# Altium PCB RTD_12POS_WPSv3.PcbDoc (part 2 of 4) (continued)
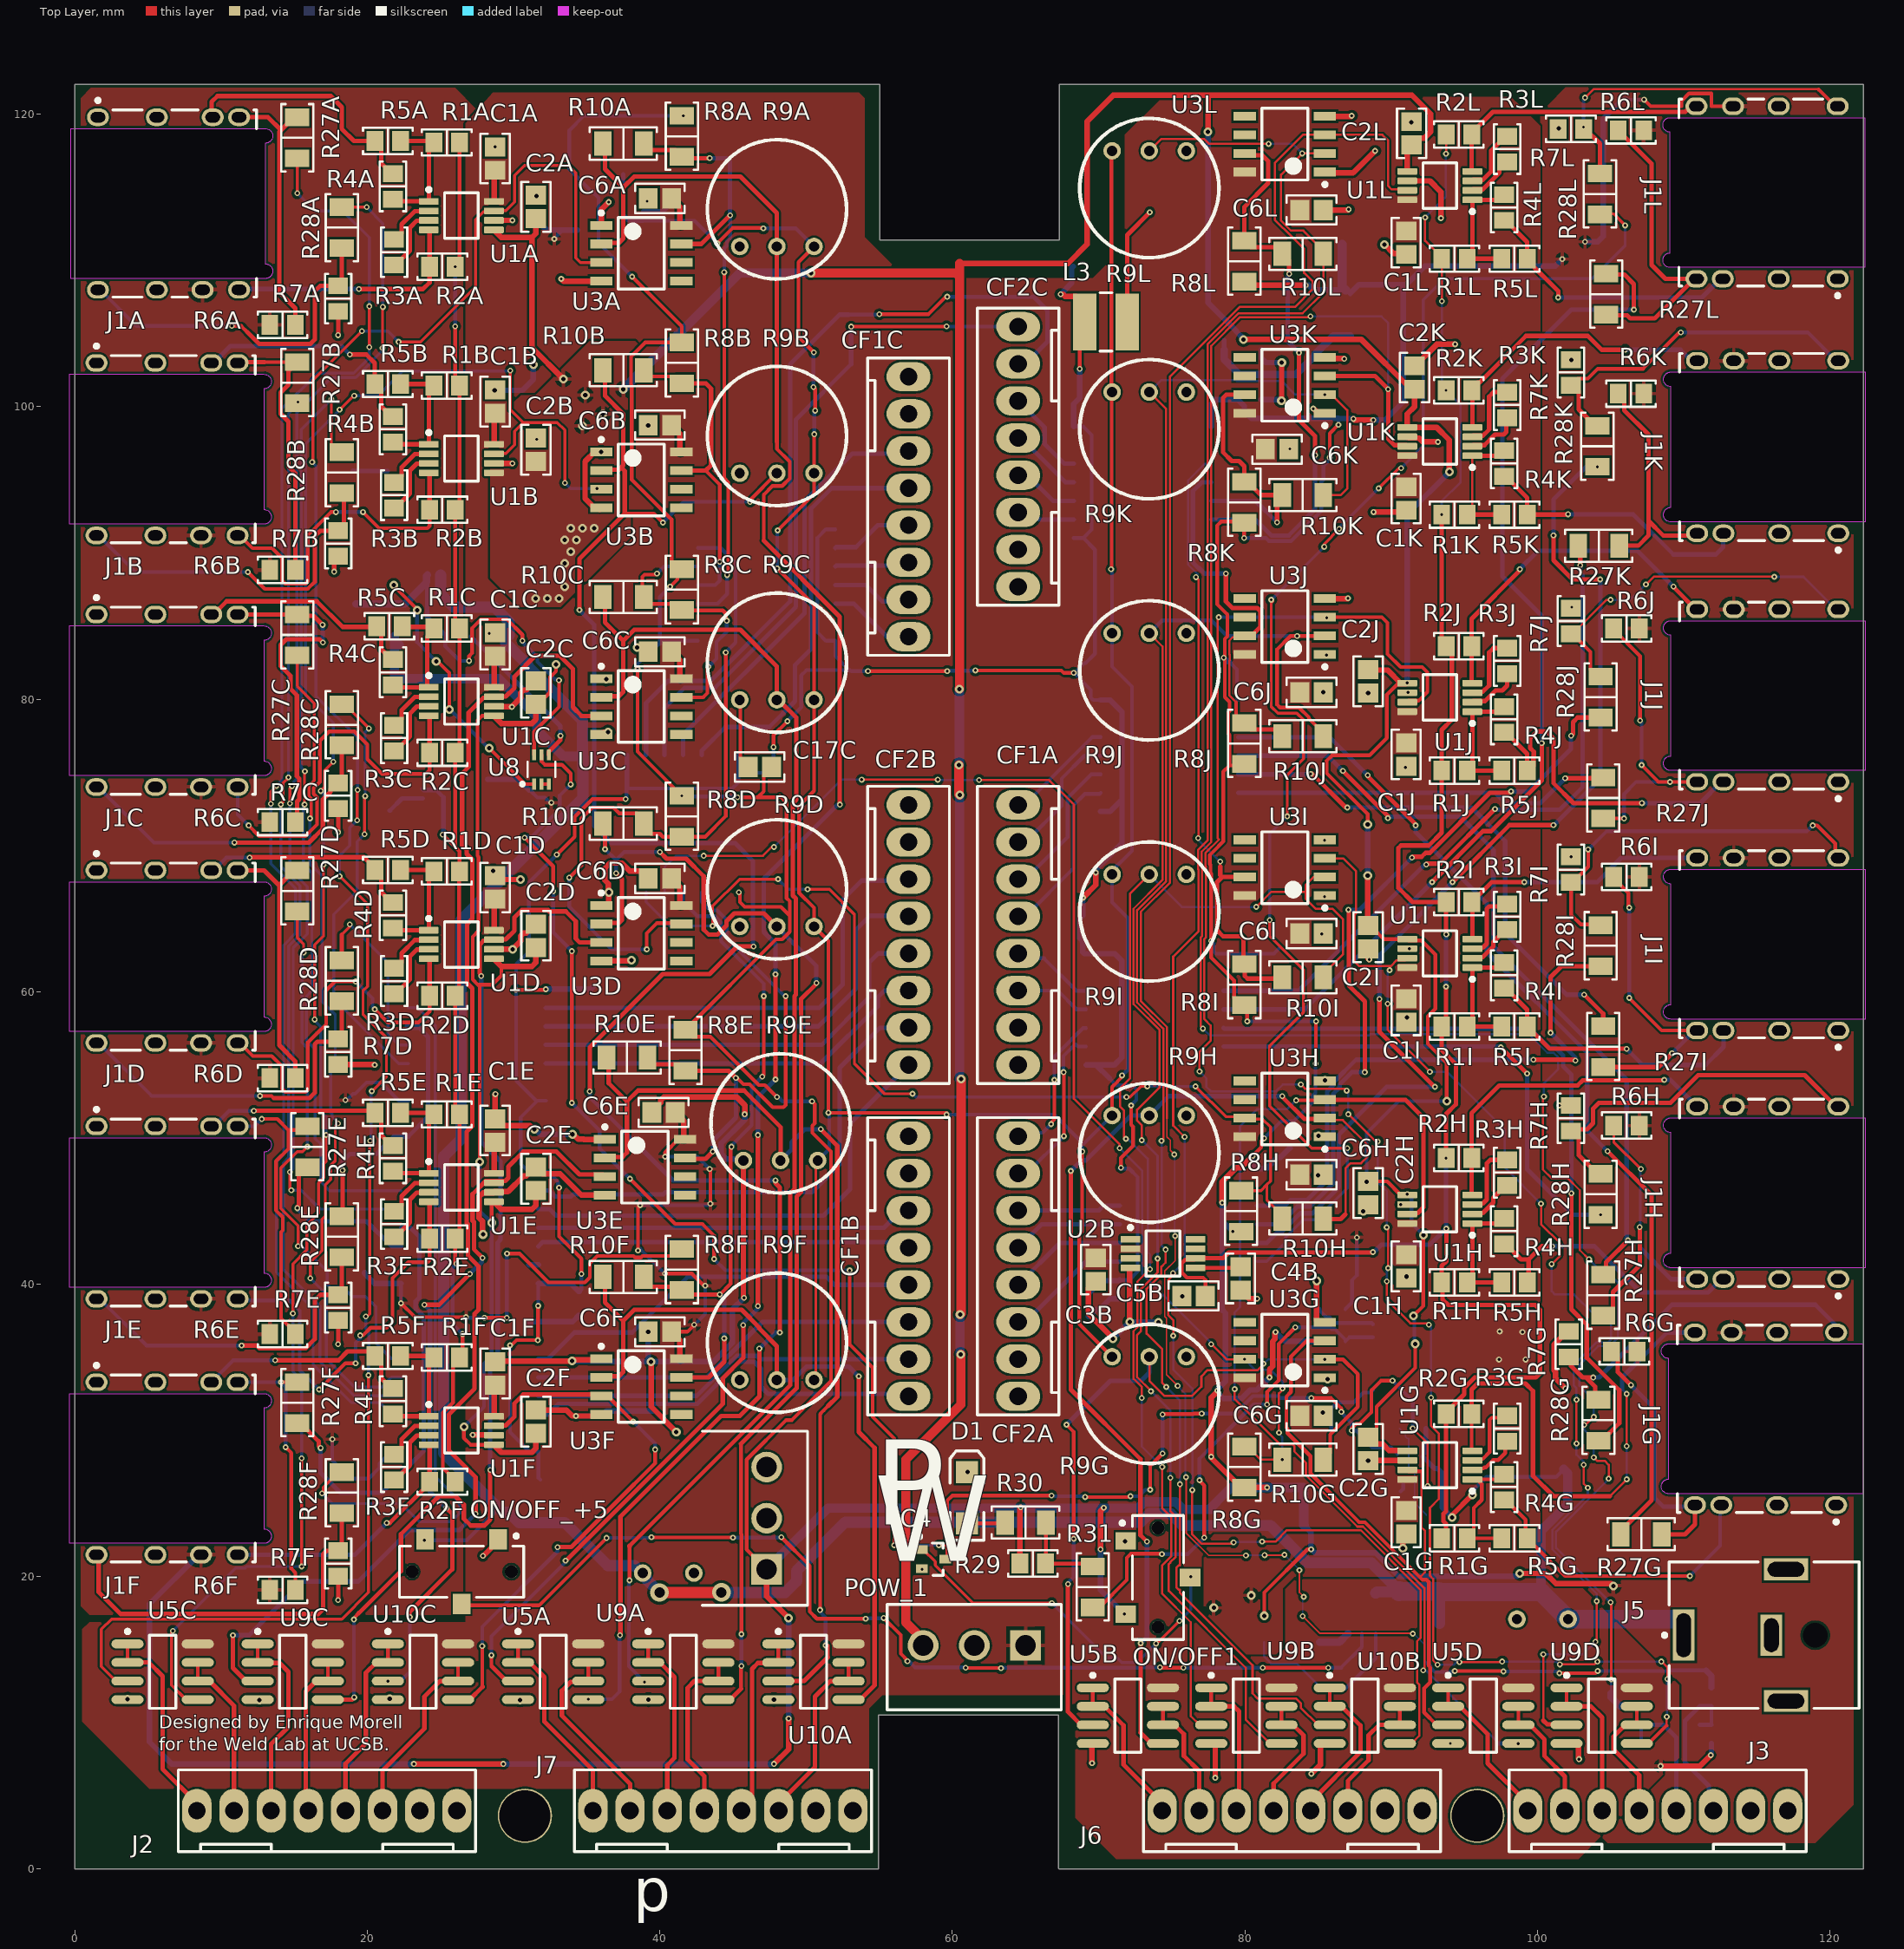
[diagram p0: Top Layer view]
## Part data (continued)
U5A U5B U5C U5D U9A U9B U9C U9D U10A U10B U10C U10D: library part CMP-0384-00855-1, "Double Channel Ultra Low Noise Operational Amplifier, 6.5 MHz BW, 12 V/us SR, Industrial, 8-pin SOIC (R-8), Tube", Amplifiers Per Package=2, Generic Part Number=ADA4075-2, Input Bias Current=30nA, Input Offset Voltage=300uV, Manufacturer="Analog Devices", Code_JEDEC=MS-012-AA, ComponentLink1Description="Manufacturer URL", ComponentLink1URL=http://www.analog.com/en/index.html, ComponentLink2Description=Datasheet, ComponentLink2URL=http://www.analog.com/static/imported-files/data_sheets/ADA4075-2.pdf, ComponentLink3Description="Package Specification", ComponentLink3URL=http://www.analog.com/static/imported-files/packages/PKG_PDF/SOIC_Narrow%20(R)/R_8.pdf, DatasheetVersion="Rev. B", Iq/Amp=1.8mA, Mounting Technology="Surface Mount", PackageDescription="8-Pin Standard Small Outline Package, Body 3.9 x 4.9 mm, Pitch 1.27 mm", PackageReference=R-8, PackageVersion=060506-A, PartNumber=ADA4075-2ARZ, Slew Rate=12V/us, Small Signal Bandwidth=6.5MHz, V Span Max=36V, V Span Min=24V
U7: "No Description Available", Supplier Part Number 1=296-37033-1-ND, Built_By=EMA_UL_Team, Copyright="Copyright (C) 2018 Accelerated Designs. All rights reserved", Manufacturer_Part_Number=LMZ34002RKGT, RefDes=RefDes, Supplier 1=Digi-Key, Type=DEV, Vendor="Texas Instruments"
U8: "TRANS PREBIAS NPN/PNP SOT563", Device Package="SOT-563, SOT-666", Manufacturer="Diodes Incorporated", Power - Max=150mW, Supplier Part Number 1=DCX144EH-7DICT-ND, ComponentLink1Description=Datasheet, ComponentLink1URL=https://www.diodes.com/assets/Datasheets/ds30422.pdf, ComponentLink2Description="Digi-Key Listing", ComponentLink2URL=https://www.digikey.com/product-detail/en/diodes-incorporated/DCX144EH-7/DCX144EH-7DICT-ND/5218295, Part Number=DCX144EH-7, PartId=9696, Price=0.42, Supplier 1=Digi-Key, Type="1 NPN, 1 PNP - Pre-Biased (Dual)"

## Free pads (board coordinates)
  rect 2.1x2.1 hole 1.4: 1(47.3,20.5)
  rect 1.4x1.3 smd far side: 1(69.3,39.4) 2(69.3,37.8)
  round 2.1 hole 1.4: 2(47.3,24) 3(47.3,27.5)
  round 3.71 hole 3.5: 4(30.775,3.65) 4(95.9,3.65)

## Via types
v1: diameter 0.4, hole 0.2, Top Layer to Bottom Layer, tented both sides, 569 vias
v2: diameter 0.6, hole 0.3, Top Layer to Bottom Layer, 59 vias
v3: diameter 0.6, hole 0.3, Top Layer to Bottom Layer, tented both sides, 42 vias
v4: diameter 1.27, hole 0.711, Top Layer to Bottom Layer, 2 vias

## Nets (pads, with @x,y where several pads share a name; then routed paths per layer and width w, separated by ;. In a path a pad name is that pad's centre, name@x,y a point inside that pad or via, vN(x,y) a via of type N, cw(c..) or ccw(c..) an arc to the next point about the centre after c; other vN are vias at no path point)
+5: C15A.1 C15B.1 C15C.1 C17A.1 C17B.1 C17C.1 C19A.1 C19B.1 C19C.1 C41.2 C42.2 C44.2 IC1A.1 IC1B.1 IC1C.1 IC2A.1 IC2B.1 IC2C.1 IC3A.1 IC3B.1 IC3C.1 J1A.4 J1B.4 J1C.4 J1D.4 J1E.4 J1F.4 J1G.4 J1H.4 J1I.4 J1J.4 J1K.4 J1L.4 L1.2 L2.1 ON/OFF1.3 pad.1@47.3,20.5 R6A.1 R6B.1 R6C.1 R6D.1 R6E.1 R6F.1 R6G.1 R6H.1 R6I.1 R6J.1 R6K.1 R6L.1 R8A.2 R8B.2 R8C.2 R8D.2 R8E.2 R8F.2 R8G.2 R8H.2 R8I.2 R8J.2 R8K.2 R8L.2 R15.1 R25.2 R29.2 | length 539
  Top Layer w0.254: v1(22.3,38.7) 23.25,37.75 v1(26.748,37.75) ; v1(28,37.7) 28.002,37.702 29.526,37.702 v1(29.528,37.703) ; v1(29.546,42.096) 30.404,42.096 32.374,40.126 34.867,40.126 35.205,40.464 35.205,41.422 35.71,41.927 38.198,41.927 38.302,41.823 38.697,41.823 38.802,41.927 41.027,41.927 R8F.2@41.5,42.4 ; v1(38.1,108.9) 41.5,105.5 R8B.2@41.5,104.4 39,104.4 38.202,103.602 38.185,103.602 38.023,103.44 38.023,101.493 38.077,101.439 38.077,95.023 40.802,92.298 40.802,89.373 41.275,88.9 R8C.2@41.5,88.9 41.2,88.6 41.2,88.2 v1(40.7,87.7) ; v1(38.475,82.071) 38.475,76.425 v1(41.5,73.4) ; v1(45.3,73.3) 46.7,73.3 ; v1(45.4,66.8) 45.466,66.734 45.466,66.134 45.8,65.8 48.273,65.8 48.877,65.196 ; pad.1@47.3,20.5 45.935,21.865 45.935,28.012 48.638,30.715 49.035,30.715 51.7,33.38 51.7,49.084 50.423,50.361 50.423,50.839 50.592,51.008 50.592,52.308 v1(50.4,52.5) ; C17C.1@47.625,75.375 47.102,74.852 47.102,73.702 46.7,73.3 ; v1(48,52.8) 47.177,53.623 46.761,53.623 43.457,56.927 42.223,56.927 R8E.2@41.75,57.4 47.933,63.583 48.363,63.583 48.877,64.097 48.877,65.196 ; v1(79.95,91.025) 79.95,92.058 R8K.2@79.96,92.068 79.878,92.15 78.375,92.15 78.1,91.875 78.1,86.504 78.8,85.804 78.8,84.302 78.623,84.125 78.623,80.15 78.95,79.823 78.95,79.183 78.858,79.091 78.858,77.661 78.95,77.569 78.95,75.473 ; R8J.2@79.96,75.576 79.857,75.473 78.95,75.473 ; v1(80.162,57.975) 80.162,58.882 R8I.2@79.96,59.084 79.735,59.084 79.262,59.557 79.262,60.765 77.691,62.337 77.691,68.073 77.646,68.118 77.646,68.679 77.598,68.727 77.598,69.344 78.179,69.925 78.179,69.94 78.527,70.287 78.527,75.05 78.95,75.473 ; v1(80.525,48.775) 81.116,49.366 81.116,49.791 v1(81.3,49.975) ; v2(81.325,17.331) 81.325,18.925 84.275,21.875 v1(84.525,21.875) ; v1(84.839,55.089) 84.857,55.107 84.857,57.957 v1(84.875,57.975) ; v1(85.8,96.525) 85.8,98.175 v1(86.4,98.775) ; v1(107.3,121) 107.75,120.55 109.853,120.55 109.853,120.913 110.367,121.427 111.907,121.427 111.907,120.55 J1L.4@113.38,120.55 ; 46.7,73.3 48.1,73.3 48.2,73.4 48.664,72.936 48.664,66.405 48.877,66.192 48.877,65.196
  Top Layer w0.381: J1F.4@8.625,21.5 J1F.4@8.775,21.5 ; v1(23.175,7.2) v1(29.3,7.2) ; pad.1@47.3,20.5 47.3,18.675 v2(48.8,17.175) ; v1(47.8,7.2) 48.8,8.2 v1(48.8,10.3) ; R29.2@64.625,20.9 64.625,24.7 v1(64.675,24.75) ; v1(70.125,21.875) 70.125,24.495 70.35,24.72 v1(70.35,24.725) ; v1(71.757,17.444) ON/OFF1.3@71.857,17.444 ; v1(78.125,32.725) 78.125,32.666 77.7,32.241 v1(77.7,28.2) 77.7,28.135 79.735,26.1 R8G.2@79.96,26.1 v1(81.525,26.1) ; v1(78.45,45.575) 78.425,45.6 78.425,46.982 79.401,47.958 79.708,47.958 v1(80.525,48.775) ; R8L.2@79.96,108.56 80.212,108.308 v1(84.163,108.308) ; v1(81.68,33.628) 81.68,34.162 81.896,34.378 81.896,36.086 82.058,36.249 82.058,36.683 v1(82.1,36.725) ; v1(87.425,99.175) 87.5,99.1 v1(88.775,99.1) ; v2(98.8,20.225) 100.575,20.225 101.265,19.535 105.04,19.535 v2(105.2,19.375)
  Top Layer w0.635: R29.2@64.505,20.78 R29.2@64.625,20.9
  Bottom Layer w0.254: v1(17.6,29.4) 17.6,27.958 18.858,26.7 C19B.1@19,26.7 20.081,26.7 20.832,27.451 20.832,27.737 21.65,28.555 IC1B.1@22.3,28.555 ; v1(18.5,52.6) C17B.1@18.5,52.5 19.023,53.023 19.165,53.023 19.942,53.8 20.9,53.8 22.145,52.555 IC3B.1@22.8,52.555 ; v1(22.3,38.7) IC2B.1@22.3,40.055 ; v1(26.748,37.75) 26.798,37.7 v1(28,37.7) ; v1(29.528,37.703) 29.537,37.712 29.537,42.087 v1(29.546,42.096) ; v1(38.1,108.9) 35.8,111.2 35.8,114.3 35.407,114.693 35.366,114.693 33.8,116.258 33.8,118.9 34.8,119.9 v1(41.6,119.9) ; v1(38.475,82.071) 38.475,82.417 39.185,83.127 39.277,83.127 39.95,83.8 C15C.1@40,83.8 ; v1(40.7,87.7) 40,87 C15C.1@40,83.8 ; v1(41.5,73.4) 41.55,73.35 45.25,73.35 v1(45.3,73.3) ; IC1C.1@42.6,84 40.2,84 C15C.1@40,83.8 ; v1(48,52.8) 48.094,52.8 48.394,52.5 v1(50.4,52.5) ; v1(77.7,63.475) 77.7,63.463 77.877,63.286 77.877,62.765 78.036,62.605 IC2A.1@78.54,62.605 81.985,62.605 C17A.1@82.34,62.96 ; C15A.1@78.94,82.56 79.463,82.037 79.463,80.027 IC1A.1@79.54,79.95 ; v1(79.95,91.025) 81.438,91.025 81.643,90.821 83.157,90.821 85.225,92.888 85.225,94.868 85.377,95.02 85.377,95.977 85.8,96.4 v1(85.8,96.525) ; v1(80.162,57.975) v1(84.875,57.975) ; R25.2@81.3,17.275 81.3,17.25 81.325,17.275 v2(81.325,17.331) ; v1(81.3,49.975) 82.479,51.154 83.35,51.154 84.621,52.425 84.621,52.86 84.827,53.067 84.827,55.077 v1(84.839,55.089) ; v1(86.4,98.775) 86.4,99.2 ; 106.081,121 v1(107.3,121)
  Bottom Layer w0.381: J1F.4@8.625,21.5 8.475,21.5 5.1,18.125 5.1,8.7 6.6,7.2 v1(23.175,7.2) ; C15B.1@19.8,40.8 19.8,40.75 20.495,40.055 IC2B.1@22.3,40.055 ; v1(29.3,7.2) v1(47.8,7.2) ; v1(48.8,10.3) v2(48.8,17.175) ; v1(70.125,21.875) 70.125,19.076 v1(71.757,17.444) ; IC3C.1@77.7,98.645 77.7,100.2 78,100.5 C19C.1@79.5,100.5 79.96,100.04 79.96,99.69 80.45,99.2 80.456,99.206 86.394,99.206 86.4,99.2 v1@87.425,99.2 ; v1(78.125,32.725) 78.125,32.809 78.675,33.359 78.675,38.025 78.45,38.25 78.45,44.325 ; v1@78.172,32.546 78.53,32.187 79.78,32.187 80.362,32.769 80.822,32.769 v1(81.68,33.628) ; v1(78.45,45.575) 78.45,44.325 ; v1(78.55,82.85) 78.84,82.56 C15A.1@78.94,82.56 ; v1(79.175,43.6) 78.45,44.325 ; v1(80.525,48.775) 80.525,48.22 IC3A.1@80.84,47.905 81.473,47.905 82.259,48.691 82.441,48.691 83.05,49.3 C19A.1@83.1,49.3 ; v1(82.1,36.725) 82.725,36.1 R15.1@85.125,36.1 ; C41.2@84.05,23.5 84.51,23.04 84.51,21.89 84.775,21.625 88.925,21.625 90.509,20.04 98.615,20.04 v2(98.8,20.225) ; v1(84.163,108.308) 84.362,108.308 84.678,107.991 L2.1@86.891,107.991 ; L2.1@87.2,107.75 87.81,108.359 90.825,108.359 ; v1(88.775,99.1) 89.584,99.1 90.825,100.341 90.825,108.359 ; v1(101.7,110.1) 101.228,109.628 92.303,109.628 91.035,108.359 90.825,108.359 ; v1(103.259,111.28) 104.13,111.28 104.5,111.65 104.5,119.7 105.8,121 106.081,121 ; J1L.4@113.23,120.55 J1L.4@113.38,120.55
  Bottom Layer w0.635: pad.1@46.567,19.768 pad.1@47.3,20.5 51.487,24.687 70.35,24.687 72.695,24.687 73.132,25.123 75.257,25.123 75.781,24.599 77.718,24.599 77.718,24.767 L1.2@78.5,25.55 79.05,26.1 v1(81.525,26.1) C42.2@84,26.1 84.025,26.075 84.025,23.525 C41.2@84.05,23.5 ; C44.2@86.65,111.1 86.65,108.232 L2.1@86.891,107.991
+5_OUT: C16B.1 C16C.1 C18A.1 C18B.1 C18C.1 C20A.1 C20B.1 C20C.1 C43.1 IC1A.10 IC1A.16 IC1B.10 IC1B.16 IC1C.10 IC1C.16 IC2A.10 IC2A.16 IC2B.10 IC2B.16 IC2C.10 IC2C.16 IC3A.10 IC3A.16 IC3B.10 IC3B.16 IC3C.10 IC3C.16 L3.2 pad.1@69.3,39.4 | length 212.5
  Top Layer w0.254: v1(29.75,35.825) 29.844,35.825 30.194,36.175 v1(31.65,36.175) 31.663,36.188 31.663,38.512 v1(31.675,38.525) ; v1(30.15,60.125) 32.15,60.125 v1(32.2,60.175) ; v1(32.95,69.375) 34.168,70.593 34.168,71.957 35.387,73.175 v1(37.65,73.175) ; v1(33.103,46.604) 33.103,43.272 34.628,41.747 v1(34.628,40.703) ; v1(47.775,76.725) 47.775,77.55 v1(48.725,78.5) ; v1(54.225,81.925) v1(59.65,81.925) ; v1(61.575,81.975) 67.444,81.975 67.619,81.8 v1(68.3,81.8) ; v1(68.7,102.6) 68.7,105.45 L3.2@69.05,105.8 ; v1(71.525,47.975) 71.525,48.634 72.357,49.466 72.357,50.773 72.225,50.905 v1(72.225,52.225)
  Top Layer w0.381: v1(67.4,107.7) 67.568,107.7 67.708,107.56 68.441,107.56 69.05,106.95 L3.2@69.05,105.8 ; v1(68.925,66.425) 69.8,67.3 v1(69.8,68.15)
  Bottom Layer w0.254: v1(29.75,35.825) 29.75,29.875 31.07,28.555 IC1B.16@31.7,28.555 31.7,26.75 C20B.1@31.825,26.625 ; v1(31.675,38.525) 31.675,40.03 IC2B.16@31.7,40.055 ; IC3B.16@32.2,52.555 IC3B.16@31.63,52.555 ; v1(32.95,69.375) 31.052,67.477 31.052,62.752 30.175,61.875 30.175,53.93 31.55,52.555 IC3B.16@31.63,52.555 ; v1(33.103,46.604) 33.037,46.67 33.037,46.988 32.35,47.675 IC2B.10@31.7,47.675 31.05,47.675 30.473,48.252 30.473,51.398 IC3B.16@31.63,52.555 ; C18B.1@34.5,39.5 34.628,39.628 v1(34.628,40.703) ; v1(37.65,73.175) 37.715,73.24 IC2C.10@37.715,76.135 ; IC2C.10@37.78,76.2 37.78,73.9 44.95,73.9 45.375,74.325 45.375,74.973 ; IC2C.16@45.4,76.2 45.375,76.175 45.375,74.973 ; C18C.1@47.662,75.462 47.173,74.973 45.375,74.973 ; C18C.1@47.675,75.45 47.775,75.55 v1(47.775,76.725) ; v1@48.716,78.509 49.663,79.456 49.663,81.634 50.029,82 C16C.1@52.95,82 ; IC1C.10@52,91.62 51.35,91.62 50.773,91.043 50.773,84.577 51.35,84 IC1C.16@52,84 52,82.95 C16C.1@52.95,82 ; v1(54.225,81.925) 53.075,81.925 C16C.1@53,82 C16C.1@52.95,82 ; v1(59.65,81.925) 59.675,81.95 61.55,81.95 v1(61.575,81.975) ; v1(68.3,81.8) C20A.1@68.35,81.8 ; IC3C.10@68.3,91.025 IC3C.10@68.95,91.025 ; IC3C.16@68.3,98.645 68.95,98.645 69.527,98.068 69.527,91.602 IC3C.10@68.95,91.025 ; IC1A.16@70.14,79.95 69.629,79.95 69.469,80.11 69.469,80.631 68.873,81.227 68.873,81.277 C20A.1@68.35,81.8 ; 70.72,54.101 71.221,53.6 72.301,53.6 72.577,53.324 72.577,52.602 72.35,52.375 72.35,52.362 72.225,52.237 v1(72.225,52.225) ; IC3A.10@71.44,40.285 72.09,40.285 72.667,40.862 72.667,47.328 72.09,47.905 IC3A.16@71.44,47.905 71.51,47.975 v1(71.525,47.975) ; C20A.1@68.35,81.8 69.023,82.473 69.115,82.473 69.75,83.108 69.75,90.225 IC3C.10@68.95,91.025
  Bottom Layer w0.381: IC2B.16@31.7,40.055 33.895,40.055 34.45,39.5 C18B.1@34.5,39.5 ; v1(32.2,60.175) 35.275,60.175 C16B.1@35.5,60.4 ; v1(67.4,107.7) 68.158,108.458 68.158,109.508 C43.1@68.25,109.6 ; IC3C.16@68.3,98.645 68.3,100.2 68.7,100.6 v1(68.7,102.6) ; v1(68.925,66.425) 68.925,65.225 C18A.1@68.7,65 68.7,63.65 68.925,63.425 68.925,62.706 69.026,62.605 IC2A.16@69.14,62.605 71.102,62.605 71.583,62.125 71.583,55.501 71.067,54.985 IC2A.10@69.836,54.985 ; IC2A.10@69.14,54.985 IC2A.10@69.836,54.985 ; pad.1@69.3,39.4 69.35,39.4 70.193,40.243 71.398,40.243 IC3A.10@71.44,40.285 ; v1(69.8,68.15) 69.8,68.35 71.6,70.15 71.6,73.14 ; IC1A.10@70.14,72.33 70.79,72.33 71.6,73.14 ; IC1A.16@70.14,79.95 70.79,79.95 71.6,79.14 71.6,73.14 ; 70.72,54.101 IC2A.10@69.836,54.985
+12: C1A.1 C1B.1 C1C.1 C1D.1 C1E.1 C1F.1 C1G.1 C1H.1 C1I.1 C1J.1 C1K.1 C1L.1 C3A.2 C3B.2 C3C.2 C6A.1 C6B.1 C6C.1 C6D.1 C6E.1 C6F.1 C6G.1 C6H.1 C6I.1 C6J.1 C6K.1 C6L.1 C10.2 C11.2 C12.2 C13.2 POW_1.1 R16.2 U1A.8 U1B.8 U1C.8 U1D.8 U1E.8 U1F.8 U1G.8 U1H.8 U1I.8 U1J.8 U1K.8 U1L.8 U2A.2 U2B.2 U2C.2 U3A.8 U3B.8 U3C.8 U3D.8 U3E.8 U3F.8 U3G.8 U3H.8 U3I.8 U3J.8 U3K.8 U3L.8 U4.10 U4.11 U4.12 U4.13 U4.14 U4.15 U4.39 U5A.8 U5B.8 U5C.8 U5D.8 U9A.8 U9B.8 U9C.8 U9D.8 U10A.8 U10B.8 U10C.8 U10D.8 | length 71
  Top Layer w0.254: v1(38.5,42.3) 38.5,45.25 v1(38.65,45.4) ; v1(40.35,40.725) 42.192,40.725 43.017,39.9 v1(43.1,39.9) ; v1(40.35,48.725) 40.359,48.734 40.359,49.007 41.257,49.905 41.619,49.905 U3E.8@41.717,49.905 ; C6F.1@40.8,36.75 41.875,36.75 v1(42.35,37.225) ; v1(43.4,47.875) 43.45,47.825 v1(43.45,45.5)
  Top Layer w0.381: U1F.8@28.65,30.975 28.669,30.995 28.669,33.045 C1F.1@28.725,33.1 ; U1E.8@28.65,47.59 28.669,47.61 28.669,49.66 C1E.1@28.725,49.715 ; U1D.8@28.65,64.205 28.669,64.225 28.669,66.275 C1D.1@28.725,66.33 ; U1C.8@28.65,80.82 28.669,80.84 28.669,82.89 C1C.1@28.725,82.945 ; U1B.8@28.65,97.435 28.669,97.455 28.669,99.505 C1B.1@28.725,99.56 ; U1A.8@28.65,114.05 28.669,114.07 28.669,116.12 C1A.1@28.725,116.175 ; C6F.1@40.8,36.75 41.369,36.181 41.369,34.905 U3F.8@41.467,34.905 ; C6D.1@40.8,67.75 41.369,67.181 41.369,65.905 U3D.8@41.467,65.905 ; C6C.1@40.8,83.25 41.369,82.681 41.369,81.405 U3C.8@41.467,81.405 ; C6B.1@40.8,98.75 41.369,98.181 41.369,96.905 U3B.8@41.467,96.905 ; C6A.1@40.8,114.25 41.369,113.681 41.369,112.405 U3A.8@41.467,112.405 ; C6E.1@41.05,51.75 41.619,51.181 U3E.8@41.619,49.905 ; v1(108.425,7.05) 111.1,7.05 v1(111.85,7.8)
  Bottom Layer w0.254: C3A.2@31.1,73.8 31.623,73.277 32.137,73.277 32.484,72.93 v1(32.578,72.93) ; v1(32.775,111.475) 32.775,111.525 33.325,112.075 ; v1(38.5,42.3) 38.5,42.382 38.534,42.416 38.659,42.416 v1(40.35,40.725) ; v1(38.65,45.4) 43.35,45.4 v1(43.45,45.5) ; v1(40.35,48.725) 42.55,48.725 v1(43.4,47.875) ; v1(42.35,37.225) 43.1,37.975 v1(43.1,39.9) ; R16.2@86.875,38.3 87.323,38.748 87.323,40.273 C10.2@87.65,40.6 v1(87.65,43.2)
  Bottom Layer w0.381: U2A.2@28.225,74.525 30.325,74.525 31.05,73.8 C3A.2@31.1,73.8 ; C3C.2@31.5,112.8 31.55,112.8 32.275,112.075 33.325,112.075 U2C.2@34.375,112.075 ; v1(111.85,7.8) 111.9,7.85 U10D.8@111.9,8.595
  other v1: 97.375,34.85 99.2,34.85 98.975,36.725 97.425,36.775
-5: pad.3
-12: C2A.2 C2B.2 C2C.2 C2D.2 C2E.2 C2F.2 C2G.2 C2H.2 C2I.2 C2J.2 C2K.2 C2L.2 C32.1 C33.2 C34.2 C35.2 C36.2 POW_1.3 R22.1 U1A.5 U1B.5 U1C.5 U1D.5 U1E.5 U1F.5 U1G.5 U1H.5 U1I.5 U1J.5 U1K.5 U1L.5 U7.1 U7.4 U7.5 U7.8 U7.9 U7.16 U7.17 U7.18 U7.19 U7.20 U7.29 U7.30 U7.32 U7.33 U7.34 U7.37 U7.40 U8.1 | length 411.1
  Top Layer w0.254: v3(21.8,87.8) 21.8,87.75 23.4,86.15 v3(23.4,86.1) ; v3(24.7,82.6) 24.8,82.6 25.6,81.8 v3(25.6,79.3) ; v3(26.6,30.25) 26.6,29.484 27.059,29.025 U1F.5@28.65,29.025 ; v3(27.675,48.375) 27.675,60.366 27.566,60.475 ; v3(28.328,76.655) 30.782,74.201 U8.1@31.4,74.201 ; v3(28.5,44.2) 28.5,45.542 28.579,45.621 U1E.5@28.65,45.621 ; U1C.5@28.65,78.87 28.645,78.875 27.849,78.875 27.527,78.553 27.527,69.288 27.607,69.208 27.607,64.17 27.201,63.764 27.201,60.84 27.566,60.475 ; 29.156,61.73 29.156,61.106 28.525,60.475 27.566,60.475 ; C2C.2@31.525,79.645 31.667,79.645 32.502,80.48 32.502,81.518 32.9,81.916 v3(32.9,82.375) ; v3(88.325,47) 88.354,47.029 C2H.2@88.43,47.029 89.73,47.029 U1H.5@90.655,46.104 ; v3(88.4,71.45) 88.4,72.15 85.575,74.975 85.575,75.775 85.975,76.175 88.525,76.175 89.7,77.35 89.7,80.31 90.394,81.004 91.007,81.004 U1J.5@91.105,81.102 ; C2G.2@88.43,29.53 88.48,29.53 89.003,30.053 89.003,31.628 91.65,34.275 v3(91.65,35.925) ; C2I.2@88.43,64.528 88.953,64.005 89.095,64.005 89.497,63.603 U1I.5@91.105,63.603 91.203,63.505 92.07,63.505 93.025,62.55 93.025,58.84 92.5,58.315 92.5,56.438 93.8,55.138 v3(93.8,52.525) ; v3(91.525,37.85) 92.2,38.525 v3(92.2,43.35)
  Top Layer w0.381: U1F.5@28.65,29.006 29.156,28.5 31.25,28.5 31.525,28.775 C2F.2@31.525,29.8 ; U1E.5@28.65,45.621 29.156,45.115 31.25,45.115 31.525,45.39 C2E.2@31.525,46.415 ; U1D.5@28.65,62.236 29.156,61.73 31.25,61.73 31.525,62.005 C2D.2@31.525,63.03 ; U1C.5@28.65,78.851 29.156,78.345 31.25,78.345 31.525,78.62 C2C.2@31.525,79.645 ; U1A.5@28.65,112.081 29.156,111.575 31.25,111.575 ; C2A.2@31.525,112.875 31.525,111.85 31.25,111.575 ; v3(33.4,101.9) 31.25,104.05 31.25,111.575 ; 60.5,109.8 67.9,109.8 69.2,111.1 69.2,119.5 71,121.3 77.475,121.3 ; v3(77.475,118.8) 77.475,121.3 ; v3(79.9,104.6) 87.968,104.6 91.368,101.2 C2K.2@91.6,101.2 91.6,100 91.105,99.505 U1K.5@91.105,98.601 93.105,98.601 93.975,97.731 93.975,95.575 v3(94,95.55) ; v3(88.4,67.95) 88.4,64.558 C2I.2@88.43,64.528 ; C2G.2@88.43,29.53 88.89,29.07 89.428,29.07 89.858,28.639 91.07,28.639 U1G.5@91.105,28.605 ; C2J.2@88.43,82.027 88.457,82 89.757,82 U1J.5@90.655,81.102 ; U1L.5@91.105,116.1 91.105,117.605 C2L.2@91.4,117.9 91.86,118.36 92.26,118.36 92.7,118.8 92.7,120.032 91.432,121.3 77.475,121.3
  Top Layer w0.635: v3(50.325,109.15) 60.25,109.15 60.5,108.9 ; POW_1.3@58,15.3 58,15.696 56.818,16.879 56.818,28.017 60.575,31.775 v3(60.575,35.2) ; v3(60.45,75.5) 60.45,73.5 v3(60.5,73.45) ; v3(60.475,80.7) 60.5,80.725 60.5,108.9 ; 60.5,109.8 60.5,108.9 ; v3(60.525,37.925) 60.6,38 v3(60.6,54.025)
  Bottom Layer w0.254: v3(23.4,86.1) 23.4,83.9 v3(24.7,82.6) ; v3(25.6,79.3) 25.641,79.3 28.286,76.655 v3(28.328,76.655) ; v3(26.6,30.25) 27.971,31.621 27.971,34.573 28.5,35.103 v3(28.5,44.2) 27.675,45.025 v3(27.675,48.375) ; v3(88.325,47) 88.325,50.325 90.525,52.525 v3(93.8,52.525) ; v1(91.106,46.154) 91.4,45.859 91.4,44.15 v3(92.2,43.35) ; v3(91.525,37.85) 91.588,37.787 91.588,35.987 v3(91.65,35.925)
  Bottom Layer w0.381: v3(77.475,118.8) 77.475,107.137 79.421,105.191 79.421,105.139 79.9,104.659 v3(79.9,104.6) ; v3(88.4,67.95) v3(88.4,71.45) ; v1(91.106,81.13) 91.106,92.656 v3(94,95.55)
  Bottom Layer w0.635: v3(37.5,101.2) 45.45,109.15 v3(50.325,109.15) ; v3(60.45,75.5) 60.475,75.525 v3(60.475,80.7) ; v3@60.5,54.025 v3(60.5,73.45) ; v3(60.525,37.925) 60.525,35.25 v3(60.575,35.2)
  other v3: 31.5,86.9 32.3,86.9 33.1,86.9 33.5,87.7 33.5,89.3 33.9,90.1 33.5,90.9 34.3,90.9 33.9,91.7 34.7,91.7 35.5,91.7 34.7,98.7 36.1,99.5 34.9,100.8
CF1: IC1C.3 R8A.1 R10A.2 U3A.7 | length 42.7
  Top Layer w0.254: v1(44.4,109.2) 44.4,95.119 44.677,94.842 44.677,89.161 44.666,89.15 44.666,88.566 v1(44.6,88.5)
  Top Layer w0.305: R10A.2@38.9,118 38.9,117.995 39.348,117.548 41.052,117.548 R8A.1@41.5,117.1 41.6,117 v1(43.4,117) ; U3A.7@41.467,111.135 42.835,111.135 v1(44.8,113.1)
  Bottom Layer w0.254: IC1C.3@42.6,86.54 43.94,86.54 44.6,87.2 v1(44.6,88.5) ; v1(44.4,109.2) 44.4,110.834 44.583,111.017 44.583,111.323 44.8,111.54 v1(44.8,113.1)
  Bottom Layer w0.305: v1(43.4,117) 44.579,117 44.8,116.779 v1(44.8,113.1)
CF2: IC1C.4 R8B.1 R10B.2 U3B.7 | length 22.1
  Top Layer w0.254: R10B.2@38.9,102.5 39.327,102.073 41.027,102.073 R8B.1@41.5,101.6 ; 43.135,95.635 44.1,94.67 v1(44.1,89.4)
  Top Layer w0.305: U3B.7@41.467,95.635 43.135,95.635 43.5,96 43.5,101.25 43.15,101.6 R8B.1@41.5,101.6
  Bottom Layer w0.254: IC1C.4@42.6,87.81 43.785,87.81 44.1,88.125 v1(44.1,89.4)
CF3: IC1C.5 R8C.1 R10C.2 U3C.7 | length 19.5
  Top Layer w0.254: v1(39.8,88.6) 39.719,88.519 38.949,88.519 38.8,88.37 38.8,87.1 R10C.2@38.9,87 39.373,86.527 41.073,86.527 R8C.1@41.5,86.1 41.525,86.075 44.3,86.075 44.509,85.866 44.509,85.441 v1(44.575,85.375) ; U3C.7@41.467,80.135 42.96,80.135 43.25,80.425 43.25,82.15 v1(43.325,82.225)
  Bottom Layer w0.254: v1(39.8,88.6) 40.28,89.08 IC1C.5@42.6,89.08 ; v1(43.325,82.225) 43.871,82.771 43.871,83.921 44.575,84.625 v1(44.575,85.375)
CF4: IC1C.6 R8D.1 R10D.2 U3D.7 | length 49.1
  Top Layer w0.254: v1(33.8,67.8) 34.626,68.626 34.626,71.842 35.385,72.602 36.815,72.602 37.219,72.198 38.427,72.198 38.9,71.725 38.9,71.275 39.373,70.802 39.998,70.802 40.2,70.6 R8D.1@41.5,70.6 43.1,70.6 44.5,72 v1(44.5,83.2) ; v1(39.1,62.9) 39.1,64 39.8,64.7 41.402,64.7 U3D.7@41.467,64.635
  Bottom Layer w0.254: v1(33.8,67.8) 33.8,65.8 36.7,62.9 v1(39.1,62.9) ; IC1C.6@42.6,90.35 44.148,90.35 45.177,89.321 45.177,83.877 v1(44.5,83.2)
CF5: IC2C.3 R8E.1 R10E.2 U3E.7 | length 36
  Top Layer w0.254: v1(45.2,54.1) 45.294,54.1 45.714,53.679 46.133,53.679 47.713,52.1 48.451,52.1 48.6,52.249 v1(48.6,59.7)
  Top Layer w0.305: R10E.2@39.15,55.5 39.15,55.495 39.598,55.048 41.302,55.048 R8E.1@41.75,54.6 44.7,54.6 v1(45.2,54.1) ; U3E.7@41.717,48.635 41.774,48.578 43.128,48.578 v1(43.625,49.075)
  Bottom Layer w0.254: IC2C.3@42.86,66.8 42.86,66.15 43.437,65.573 43.914,65.573 44.583,64.904 44.583,63.64 48.523,59.7 v1(48.6,59.7)
  Bottom Layer w0.305: v1(43.625,49.075) 43.625,49.825 45.2,51.4 v1(45.2,54.1)
CF6: IC2C.4 R8F.1 R10F.2 U3F.7 | length 45.6
  Top Layer w0.254: v1(44.1,39.3) 44.833,40.033 44.833,49.333 v1(44.9,49.4) ; v1(47,54.2) 47.1,54.3 v1(47.1,59.7)
  Top Layer w0.305: R10F.2@38.9,40.5 38.9,40.275 39.348,39.827 40.973,39.827 41.502,39.298 44.098,39.298 v1(44.1,39.3) ; U3F.7@41.467,33.635 43.335,33.635 44.4,34.7 v1(44.4,36.3)
  Bottom Layer w0.254: IC2C.4@41.59,66.8 41.59,66.15 42.571,65.169 43.747,65.169 44.179,64.737 44.179,63.473 47.1,60.552 v1(47.1,59.7) ; v1(44.9,49.4) 44.9,49.5 46.277,50.877 46.277,53.477 v1(47,54.2)
  Bottom Layer w0.305: v1(44.1,39.3) 44.4,39 v1(44.4,36.3)
CF7: IC2C.5 R8G.1 R10G.2 U3G.7 | length 88.1
  Top Layer w0.15: v1(43,69.3) 47.046,69.3 47.646,69.9 v1(47.8,69.9) ; v1(53.8,74.5) v1(59,74.5) ; v1(61.825,74.475) 66.625,74.475 68.307,72.793 68.307,52.693 71.44,49.56 v1(71.44,49.3) ; v1(77.7,35.9) 78.735,34.865 U3G.7@79.975,34.865 ; R8G.1@79.96,28.9 80.185,28.9 81.085,28 v1(82.56,28) ; v1(82.33,29.853) 82.33,32.537 82.575,32.781 v1(82.575,32.875)
  Bottom Layer w0.15: IC2C.5@40.32,66.8 40.32,68.52 41.1,69.3 v1(43,69.3) ; v1(47.8,69.9) 52.4,74.5 v1(53.8,74.5) ; v1(59,74.5) 59.025,74.475 v1(61.825,74.475) ; v1(71.44,49.3) 72.969,47.771 72.969,40.706 77.7,35.975 v1(77.7,35.9) ; v1(79.975,34.875) 80.712,34.138 81.772,34.138 82.575,33.334 v1(82.575,32.875) ; v1(82.33,29.853) 82.33,29.759 82.56,29.53 v1(82.56,28)
CF8: IC2C.6 R8H.1 R10H.2 U3H.7 | length 68.5
  Top Layer w0.2: v1(43.6,64.5) 43.6,65.852 45.448,67.7 48.074,67.7 v1(48.079,67.705) ; v1(50.1,67) 51.6,67 53.3,65.3 53.3,55.075 55.351,53.024 v1(57.276,53.024) ; v1(71.9,52.8) 72.15,52.8 72.875,53.525 v1(73.325,53.525) ; v1(76.625,53.525) 78.696,51.454 79.897,51.454 U3H.7@79.993,51.357 80.05,51.3 81.2,51.3 81.75,50.75 81.75,47.05 81.5,46.8 ; R8H.1@79.75,46.4 81.1,46.4 81.5,46.8 ; R10H.2@82.56,44.492 82.56,44.717 81.5,45.777 81.5,46.8
  Bottom Layer w0.2: IC2C.6@39.05,66.8 39.05,66.15 40.7,64.5 v1(43.6,64.5) ; v1(48.079,67.705) 48.783,67 v1(50.1,67) ; v1(57.276,53.024) 57.499,52.8 v1(71.9,52.8) ; v1(73.325,53.525) v1(76.625,53.525)
CF9: IC3C.3 R8I.1 R10I.2 U3I.7 | length 42.9
  Top Layer w0.15: v1(76.65,88.35) 76.825,88.175 76.825,70.525 v1(76.8,70.5) ; 78.313,68.563 v1(78.313,68.899)
  Top Layer w0.305: 78.313,68.563 78.313,67.987 78.451,67.849 ; U3I.7@79.993,67.849 78.451,67.849 ; R10I.2@82.56,60.984 82.476,60.9 80.179,60.9 80,61.079 80,61.844 R8I.1@79.96,61.884 79.9,61.944 79.9,63.621 79.721,63.8 78.5,63.8 78.1,64.2 78.1,67.498 78.451,67.849
  Bottom Layer w0.15: v1(76.65,88.35) 76.65,88.437 76.775,88.562 76.12,89.217 76.12,94.965 77.26,96.105 IC3C.3@77.7,96.105 ; v1(76.8,70.5) 76.8,70.413 v1(78.313,68.899)
CF10: IC3C.4 R8J.1 R10J.2 U3J.7 | length 26.2
  Top Layer w0.15: 79.4,79.8 78.925,80.275 78.925,82.624 78.975,82.674 78.975,83.026 78.925,83.076 78.925,84 79.175,84.25 79.902,84.25 U3J.7@79.993,84.341
  Top Layer w0.254: 79.4,79.8 79.4,78.849 79.873,78.376 R8J.1@79.96,78.376
  Top Layer w0.305: v1(78.7,88.6) 78.7,86.687 79.141,86.246 80.846,86.246 81.056,86.036 81.056,84.943 80.453,84.341 U3J.7@79.993,84.341 ; R8J.1@79.96,78.376 80.408,77.928 82.112,77.928 82.56,77.481 R10J.2@82.56,77.476
  Bottom Layer w0.305: IC3C.4@77.7,94.835 77.05,94.835 76.448,94.233 76.448,89.352 76.848,88.952 76.9,88.952 77.252,88.6 v1(78.7,88.6)
CF11: IC3C.5 R8K.1 R10K.2 U3K.7 | length 18.9
  Top Layer w0.305: U3K.7@79.993,100.833 78.733,100.833 78.5,100.6 78.5,96.9 79.1,96.3 79.6,96.3 79.96,95.94 R8K.1@79.96,94.868 80.185,94.868 81.085,93.968 R10K.2@82.56,93.968 ; v1(82.2,92.1) 82.2,93.128 82.8,93.728 R10K.2@82.56,93.968 ; R10K.2@82.264,94.264 R10K.2@82.56,93.968
  Bottom Layer w0.305: IC3C.5@77.7,93.565 80.735,93.565 v1(82.2,92.1)
CF12: IC3C.6 R8L.1 R10L.2 U3L.7 | length 37.7
  Top Layer w0.305: U3L.7@79.993,117.325 80.129,117.189 81.211,117.189 81.6,116.8 81.6,115.3 79.96,113.66 R8L.1@79.96,111.36 80.408,110.912 82.112,110.912 82.56,110.465 R10L.2@82.56,110.46 83.008,110.012 83.008,109.117 v1(83.031,109.094) ; v1(83.7,103.7) 83.7,99.1 84.8,98 v1(84.8,96.7)
  Bottom Layer w0.305: IC3C.6@77.7,92.295 80.705,92.295 81.8,91.2 83,91.2 84.8,93 v1(84.8,96.7) ; v1(83.031,109.094) 83.031,109.014 82.923,108.906 82.923,104.477 v1(83.7,103.7)
CF_OUT1A: CF1A.8 IC1A.14 | length 7.6
  Bottom Layer w0.254: CF1A.8@64.5,72.78 64.93,72.78 69.56,77.41 IC1A.14@70.14,77.41
CF_OUT1B: CF1B.8 IC1B.14 | length 28.5
  Bottom Layer w0.305: IC1B.14@31.7,31.095 32.35,31.095 33.082,31.827 42.551,31.827 45.086,34.362 45.102,34.362 45.435,34.695 46.422,34.695 46.424,34.693 46.452,34.693 46.925,34.22 46.925,32.975 47.4,32.5 56.84,32.5 CF1B.8@57,32.34
CF_OUT1C: CF1C.8 IC1C.14 | length 5.9
  Bottom Layer w0.305: IC1C.14@52,86.54 53.26,86.54 55.52,84.28 CF1C.8@57,84.28
CF_OUT2A: CF1A.7 IC1A.13 | length 9.2
  Bottom Layer w0.254: CF1A.7@64.5,70.24 65,70.24 67.475,72.715 67.475,74.584 69.031,76.14 IC1A.13@70.14,76.14
CF_OUT2B: CF1B.7 IC1B.13 | length 26.5
  Bottom Layer w0.305: IC1B.13@31.7,32.365 42.516,32.365 44.919,34.767 44.935,34.767 45.267,35.1 46.59,35.1 46.592,35.098 46.62,35.098 46.838,34.88 CF1B.7@57,34.88
CF_OUT2C: CF1C.7 IC1C.13 | length 5.5
  Bottom Layer w0.305: IC1C.13@52,87.81 54.09,87.81 55.2,86.7 56.88,86.7 CF1C.7@57,86.82
CF_OUT3A: CF1A.6 IC1A.12 | length 10.2
  Bottom Layer w0.254: CF1A.6@64.5,67.7 65,67.7 67.879,70.579 67.879,73.259 69.49,74.87 IC1A.12@70.14,74.87
CF_OUT3B: CF1B.6 IC1B.12 | length 26.9
  Bottom Layer w0.305: IC1B.12@31.7,33.635 43.214,33.635 44.751,35.172 44.767,35.172 47.015,37.42 CF1B.6@57,37.42
CF_OUT3C: CF1C.6 IC1C.12 | length 5.1
  Bottom Layer w0.305: IC1C.12@52,89.08 52.056,89.136 56.776,89.136 CF1C.6@57,89.36
CF_OUT4A: CF1A.5 IC1A.11 | length 11.7
  Bottom Layer w0.254: CF1A.5@64.5,65.16 65,65.16 68.283,68.443 68.283,72.75 69.067,73.534 70.074,73.534 IC1A.11@70.14,73.6
CF_OUT4B: CF1B.5 IC1B.11 | length 27.8
  Bottom Layer w0.305: IC1B.11@31.7,34.905 32.35,34.905 34.145,36.7 38.1,36.7 41.9,40.5 51.4,40.5 51.94,39.96 CF1B.5@57,39.96
CF_OUT4C: CF1C.5 IC1C.11 | length 5.6
  Bottom Layer w0.305: IC1C.11@52,90.35 52.056,90.406 53.406,90.406 54.9,91.9 CF1C.5@57,91.9
CF_OUT5A: CF1A.4 IC2A.14 | length 5.7
  Bottom Layer w0.254: CF1A.4@64.5,62.62 64.834,62.286 66.269,62.286 68.49,60.065 IC2A.14@69.14,60.065
CF_OUT5B: CF1B.4 IC2B.14 | length 25.6
  Bottom Layer w0.305: IC2B.14@31.7,42.595 31.982,42.877 55.664,42.877 56.041,42.5 CF1B.4@57,42.5
CF_OUT5C: CF1C.4 IC2C.14 | length 28.9
  Bottom Layer w0.305: IC2C.14@42.86,76.2 42.86,76.488 44.472,78.1 47.473,78.1 49.234,79.861 49.234,82.334 50.344,83.444 50.344,93.044 51.74,94.44 CF1C.4@57,94.44
CF_OUT6A: CF1A.3 IC2A.13 | length 5.2
  Bottom Layer w0.254: CF1A.3@64.5,60.08 67.205,60.08 68.49,58.795 IC2A.13@69.14,58.795
CF_OUT6B: CF1B.3 IC2B.13 | length 25.8
  Bottom Layer w0.305: IC2B.13@31.7,43.865 55.325,43.865 56.5,45.04 CF1B.3@57,45.04
CF_OUT6C: CF1C.3 IC2C.13 | length 29.3
  Bottom Layer w0.305: IC2C.13@41.59,76.2 41.59,77.59 49.889,85.889 49.889,93.533 53.156,96.8 56.82,96.8 CF1C.3@57,96.98
CF_OUT7A: CF2A.8 IC2A.12 | length 10.3
  Top Layer w0.254: v1(66.75,50.95) 66.75,51.044 66.975,51.269 v1(66.975,53.975)
  Bottom Layer w0.254: CF2A.8@64.5,50.12 64.74,50.36 66.16,50.36 v1(66.75,50.95) ; v1(66.975,53.975) 66.975,55.556 68.944,57.525 IC2A.12@69.14,57.525
CF_OUT7B: CF2B.8 IC2B.12 | length 32.4
  Bottom Layer w0.305: IC2B.12@31.7,45.135 32.465,45.135 32.902,44.698 51.198,44.698 53,46.5 53,51 56.176,54.176 56.176,54.217 56.959,55 CF2B.8@57,55
CF_OUT7C: CF2C.8 IC2C.12 | length 47.2
  Top Layer w0.254: v1(53.08,105.48) 59.58,105.48 v1(59.6,105.5)
  Bottom Layer w0.254: v1(59.6,105.5) 59.61,105.49 64.49,105.49 CF2C.8@64.5,105.48
  Bottom Layer w0.305: IC2C.12@40.32,76.2 40.32,79.42 41.693,80.793 43.768,80.793 49.307,86.332 49.307,99.143 53.08,102.915 v1(53.08,105.48)
CF_OUT8A: CF2A.7 IC2A.11 | length 11.6
  Top Layer w0.254: v1(67.6,54.5) 67.625,54.475 v1(67.625,50.125)
  Bottom Layer w0.254: CF2A.7@64.5,47.58 65.08,47.58 v1(67.625,50.125) ; v1(67.6,54.5) 67.6,55.61 68.39,56.4 68.439,56.4 68.584,56.255 IC2A.11@69.14,56.255